# Altium PCB NUCLEO_144.PcbDoc (part 3 of 4)
Units mil, origin at the board's own origin, x right, y up, seen from the top; angles counter-clockwise.
Board outline 2760.94 x 5254.68 mil, 6 copper layers (Top Layer, GND, Signal, PWR, GND (Mid2), Bottom Layer), stack 74.545 mil thick; 293 components, 281 nets, 1134 pads, 921 vias.
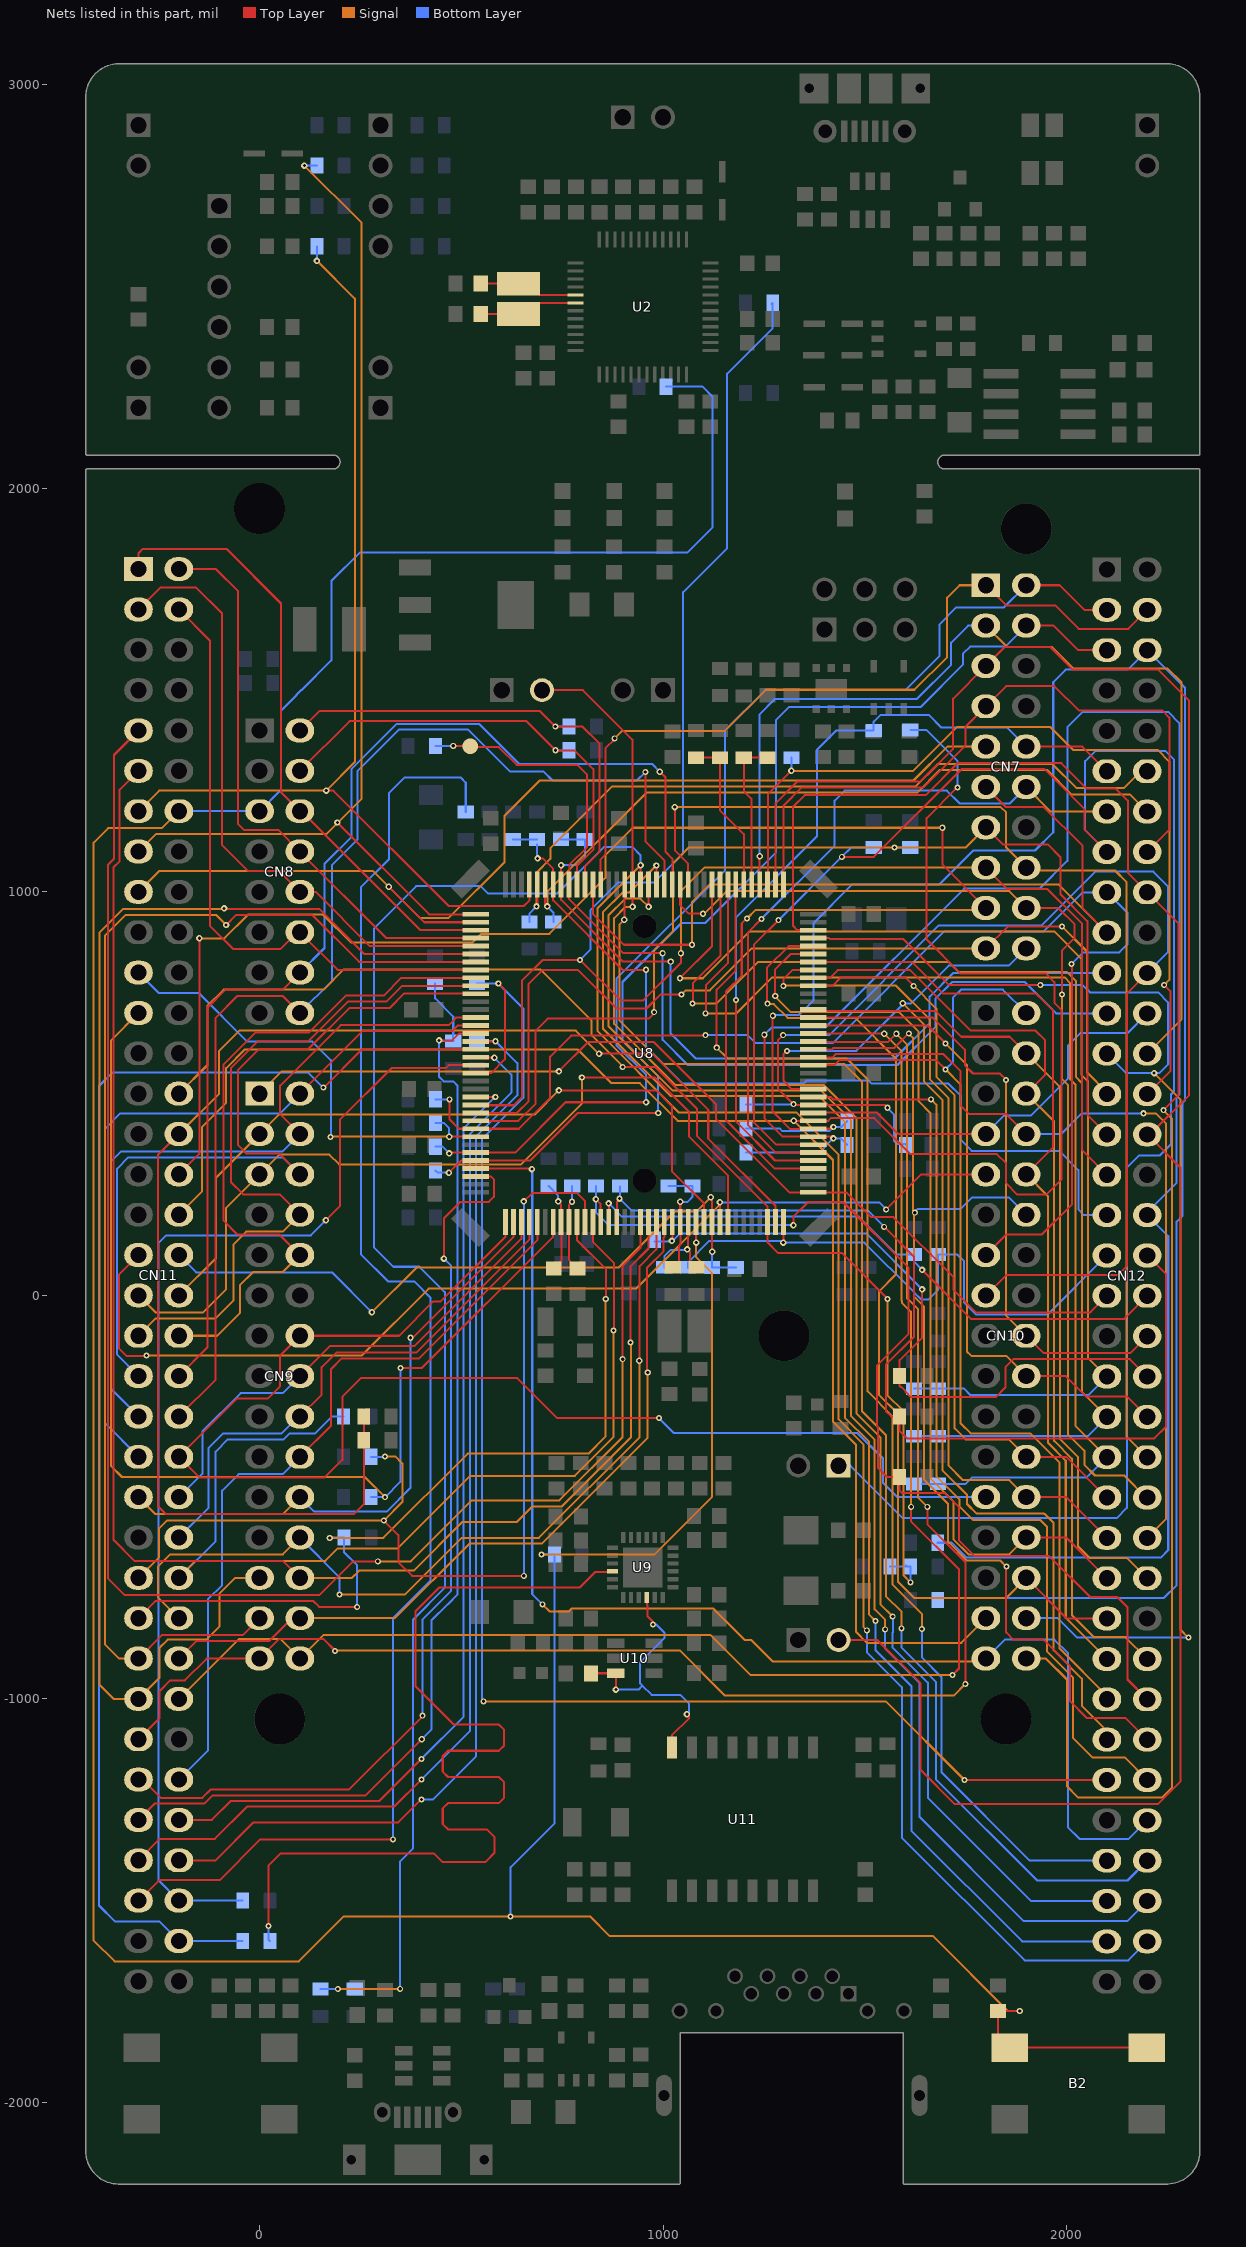
[diagram p7: the nets of this part, all layers, seen from the top]

## Via types
v1: diameter 16, hole 8, Top Layer to Bottom Layer, tented both sides, 464 vias
v2: diameter 15, hole 8, Top Layer to Bottom Layer, tented both sides, 415 vias
v3: diameter 20, hole 12, Top Layer to Bottom Layer, tented both sides, 39 vias
v4: diameter 25.98, hole 12.99, Top Layer to Bottom Layer, tented both sides, 2 vias
v5: diameter 15, hole 8, Top Layer to Bottom Layer, 1 vias

## Nets (pads, with @x,y where several pads share a name; then routed paths per layer and width w, separated by ;. In a path a pad name is that pad's centre, name@x,y a point inside that pad or via, vN(x,y) a via of type N, cw(c..) or ccw(c..) an arc to the next point about the centre after c; other vN are vias at no path point) (continued)
NetSB183_2: SB183.2 U9.16 | length 2583.8
  Top Layer w5: v2(22,-1563) 22,-1413 52,-1383 432,-1383 452.85,-1403.85 560.15,-1403.85 582,-1382 582,-1342 563.5,-1323.5 467,-1323.5 454,-1310.5 454,-1271.5 467,-1258.5 593,-1258.5 606,-1245.5 606,-1206.5 593,-1193.5 467,-1193.5 454,-1180.5 454,-1141.5 467,-1128.5 593,-1128.5 606,-1115.5 606,-1076.5 593,-1063.5 481.29,-1063.5 386.5,-968.71 386.5,-782.5 445.16,-723.84 793.73,-723.84 832.6,-684.97 874.38,-684.97 U9.16@875.2,-684.16
  Bottom Layer w5: v2(22,-1563) 22,-1596.25 SB183.2@25.75,-1600
NRST: B2.2 B2.3 C53.2 CN8.5 CN11.14 SB111.2 SB177.1 U8.25 | length 10367.8
  Top Layer w5: v1@1081.95,134 U8.25@1081.95,181.69 ; v1(1884,-1773.5) C53.2@1830,-1773.5 1830,-1835.69 B2.2@1858.72,-1864.42 B2.3@2199.28,-1864.42
  Signal w5: CN11.14@-200,1200 -242.03,1157.97 -375.03,1157.97 -411,1122 -411,-1599 -359.4,-1650.6 97.4,-1650.6 209,-1539 v2(622,-1539) 818.86,-1539 868.07,-1588.21 1669.21,-1588.21 1854.5,-1773.5 v1(1884,-1773.5) ; v2(699,-642) 979.21,-642 1121,-500.21 1121,55.91 1081.95,94.95 v1@1081.95,134
  Bottom Layer w5: CN11.14@-200,1200 CN8.5@0,1200 53.17,1253.17 53.17,1449.17 91.6,1487.6 91.6,1489.04 102.96,1500.4 104.4,1500.4 178,1574 178,1770.5 248.5,1841 1060,1841 1122,1903 1122,2227.85 1097.85,2252 SB111.2@1007.75,2252 ; v2(622,-1539) 622,-1417 731.25,-1307.75 SB177.1@731.25,-642 v2(699,-642)
  other v1: 1082,131
OSC_IN: C5.1 U2.5 X1.2 | length 245.1
  Top Layer w5: C5.1@548.5,2508 X1.2@641.4,2508 ; X1.2@642,2507.4 665.6,2507.4 693.47,2479.53 U2.5@782.68,2479.53
OSC_OUT: C6.1 U2.6 X1.1 | length 245.1
  Top Layer w5: C6.1@548.5,2432 X1.1@641.4,2432 ; X1.1@642,2432.6 665.6,2432.6 692.84,2459.84 U2.6@782.68,2459.84 U2.6@782.52,2460
PA0: CN11.28 SB179.1 SB180.2 U8.34 | length 3240.6
  Top Layer w5: v5(900,566) 980.34,566 1084.3,462.04 1084.3,394.85 1259.12,220.03 U8.34@1259.12,181.69 1259.12,131.04 1284.74,105.42 1442.58,105.42 1557,-9 v2(1556,-9)
  Signal w5: CN11.28@-200,500 -129,571 -129,718 -89.03,757.97 158.97,757.97 209.1,808.1 695.91,808.1 823,681.01 823,644.77 900,567.77 v5(900,566) ; v2(1556,-9) 1556,-247.44 1596.1,-287.54 1596.1,-694.1 v2(1613,-711)
  Bottom Layer w5: SB180.2@1562.75,-672 SB179.1@1613.25,-672 1613.25,-710.75 v2(1613,-711) ; SB179.1@1601,-669 SB179.1@1602,-670
PA1: CN11.30 SB11.2 SB13.2 U8.35 | length 3583.2
  Top Layer w5: CN11.30@-200,400 -252,348 -252,-522 -231.97,-542.03 233.72,-542.03 258.25,-517.5 SB13.2@258.25,-374 ; SB13.2@258.25,-359 SB11.2@258.25,-299.97 ; v1@841.33,600 971.77,600 1112,459.77 1112,388.36 1278.8,221.56 U8.35@1278.8,181.69
  Signal w5: CN11.30@-200,400 -100,500 -100,606 -50,656 783.72,656 v1@840.72,599
  other v1: 841.33,599
PA2: CN12.35 SB159.1 SB160.2 U8.36 | length 1471.5
  Top Layer w5: v1(1298,131) 1298,134 1298.49,134.49 U8.36@1298.49,181.69
  Bottom Layer w5: SB160.2@1062,67.75 SB160.2@1062,69.75 1062,82.01 1114.99,135 1300.04,135 v1@1304.04,131 ; v1(1298,131) v1@1304.04,131 ; CN12.35@2100,99 1954,-47 1775.25,-47 1746,-17.75 1746,85 1729.75,101.25 SB159.1@1681,101.25 1681,13 1658,-10 1639.26,-10 1622.6,6.66 1622.6,7.4 1499,131 v1@1304.04,131
PA3: CN9.1 CN12.37 U8.37 | length 2488.6
  Top Layer w5: v1(742,555) 815,628 977.3,628 1131,474.3 1131,437.31 1313.61,254.7 1371.49,254.7 U8.37@1372.31,255.51 1454.49,255.51 1515.9,194.1 1570.9,194.1 1720,45 1720,13.13 1775.16,-42.03 1917.41,-42.03 ; 1917.44,-42 2059,-42 CN12.37@2100,-1
  Signal w5: CN9.1@0,500 55,555 v1(742,555)
PA4: CN7.17 CN11.32 U8.40 | length 4286.7
  Top Layer w5: CN11.32@-200,300 -149,351 v1(-149,885) ; v2(1208,934) 1207,934 1195,922 1195,792.38 1156,753.38 1156,434.54 1275.84,314.7 1372.18,314.7 U8.40@1372.31,314.57 ; v2(1692,1159) 1692,1068 CN7.17@1800,960
  Signal w5: v1(-149,885) -87,885 -28,944 157,944 227,874 527,874 549,896 718,896 857,1035 857,1091.28 924.72,1159 v2(1692,1159) ; v2(1208,934) 1229.52,955.52 1795.52,955.52 CN7.17@1800,960
  Bottom Layer w5: v2@1207,934 v2(1208,934)
PA5: CN7.10 CN12.11 SB119.2 U8.41 | length 2064.8
  Top Layer w5: v2(1181,732) 1181,430.75 1277.5,334.25 U8.41@1372.31,334.25 ; CN7.10@1900,1360 2039,1360 CN12.11@2100,1299
  Bottom Layer w5: v2(1181,732) 1183.5,732 1181,734.5 1181,937.47 1382,1138.47 1382,1353 1429,1400 SB119.2@1522,1400 1522,1422 1539,1439 1658,1439 1690,1407 1853,1407 CN7.10@1900,1360
PA6: CN7.12 CN12.13 U8.42 | length 1823.9
  Top Layer w5: v2(1244,933) 1210,899 1210,422.96 1279.03,353.94 U8.42@1372.31,353.94
  Signal w5: CN7.12@1900,1260 1961,1199 CN12.13@2100,1199
  Bottom Layer w5: v2(1244,933) 1425,1114 1425,1226 1450,1251 1703.05,1251 1735.05,1219 1859,1219 CN7.12@1900,1260
PA7: CN12.15 JP6.1 SB121.2 U8.43 | length 5093.1
  Top Layer w5: v2(1286.03,930) 1225,868.97 1225,429.18 1280.56,373.62 U8.43@1372.31,373.62 ; v2(1443.03,1087) 1522.65,1087 1740.82,1305.17 1944.83,1305.17 2044,1206 2044,1155 CN12.15@2100,1099
  Bottom Layer w5: v2(1286.03,930) v2(1443.03,1087) 1466.03,1110 SB121.2@1522,1110 ; JP6.1@1409.99,-422 JP6.1@1435,-422 1464,-422 1594,-552 2124,-552 2149.6,-526.4 2149.6,316.6 2180,347 2231.53,347 2258.9,374.37 2258.9,497.88 2265.9,504.87 2265.9,1328.63 2245.53,1349 2071,1349 2046,1324 2046,1153 CN12.15@2100,1099
PA8: CN12.23 SB115.2 TP1.1 U8.100 | length 2527.4
  Top Layer w5: v2(480,1362) 481,1361 TP1.1@522,1361 ; TP1.1@522,1359 TP1.1@522,1361 ; TP1.1@522,1366 TP1.1@522,1361 ; v2(999,848) 900.92,848 766.99,981.93 U8.100@766.99,1018.31 767.81,1019.12 767.81,1066.81 812,1111 812,1290 787,1315 637,1315 593,1359 524,1359 TP1.1@522,1361
  Bottom Layer w5: SB115.2@435.75,1362 v2(480,1362) ; v2(999,848) 999,633.26 1061.26,571 1581,571 1675,665 1675,735.29 1716.49,776.78 1896.56,776.78 1974.34,699 CN12.23@2100,699
PA9: CN12.21 SB127.2 SB128.2 U8.101 | length 2003.2
  Top Layer w5: v1(747.31,1066.32) U8.101@747.31,1018.31 747.31,980.4 900.71,827 v2(1019,827)
  Bottom Layer w5: v1(747.31,1066.32) 786.58,1066.32 806,1085.73 SB127.2@806,1130.25 SB128.2@747,1130.25 SB128.2@747.31,1129.94 ; v2(1019,827) 1019,649 1080.9,587.1 1573.62,587.1 1660.52,674 1660.52,740.46 1719.05,799 CN12.21@2100,799
PA10: CN12.33 SB125.2 SB126.2 U8.102 | length 2156.6
  Top Layer w5: v1(689,1083) 702,1083 727.62,1057.38 U8.102@727.62,1018.31 727.62,978.87 899.49,807 v2(958,807)
  Bottom Layer w5: SB125.2@628.42,1130.25 SB126.2@688,1130.25 ; v1@688,1083.72 SB126.2@688,1117.5 ; v2(958,807) 958,615.69 1048.69,525 1348.5,525 1356.5,533 1509,533 1517,525 1707.42,525 1737.5,494.92 1737.5,385.25 1764.75,358 1981.49,358 2029,310.49 2029,213 2043,199 CN12.33@2100,199
PA11: CN12.14 SB133.2 U8.103 | length 1791.9
  Top Layer w5: U8.103@707.94,1018.31 707.94,969.06 v1(713,964)
  Signal w5: v1(713,964) 713,1000 959,1246 1630,1246 1686.03,1302.03 1951.97,1302.03 2012.03,1241.97 2157.03,1241.97 CN12.14@2200,1199
  Bottom Layer w5: v1(713,964) 728,949 SB133.2@728,925.5
PA12: CN12.12 SB132.2 U8.104 | length 1868
  Top Layer w5: v1(686.28,964) 688.25,965.97 U8.104@688.25,1018.31
  Signal w5: v1(686.28,964) 686.28,1047.28 720.73,1081.73 720.73,1108.43 873.3,1261 1625.34,1261 1681.37,1317.03 1939.54,1317.03 1939.96,1316.6 1956.04,1316.6 1956.46,1317.03 1964.97,1317.03 2025.03,1256.97 2142.03,1256.97 2184.06,1299 CN12.12@2200,1299
  Bottom Layer w5: SB132.2@668.57,925.5 668.57,946.28 v1(686.28,964)
PA13: CN11.13 SB108.1 U8.105 | length 2571.8
  Top Layer w5: v1(165,1251) 183,1251 469,965 655,965 668.57,978.57 U8.105@668.57,1018.31
  Signal w5: CN11.13@-300,1200 -249,1251 v1(165,1251) 236,1322 236,2470 v1(142.25,2563.75)
  Bottom Layer w5: SB108.1@142.25,2600 v1(142.25,2563.75) v1@143,2563
PA14: CN11.15 SB103.1 U8.109 | length 2705.2
  Top Layer w5: v1@193,1174 v1(193,1172.03) 420.54,944.49 U8.109@535.69,944.49
  Signal w5: CN11.15@-300,1100 -257.03,1142.97 164.97,1142.97 253,1231 253,2658.06 v1(111.06,2800)
  Bottom Layer w5: v1(111.06,2800) SB103.1@142.25,2800
PA15: CN7.9 CN11.17 U8.110 | length 2665.6
  Top Layer w5: v1(320,1013) 408.2,924.8 U8.110@535.69,924.8
  Signal w5: CN11.17@-300,1000 -248,1052 281,1052 v1(320,1013) 398,935 468,935 607,1074 607,1189 694,1276 1620.69,1276 1704.69,1360 CN7.9@1800,1360
PB0: CN10.31 CN11.34 SB120.1 U8.46 | length 5869.6
  Top Layer w5: v1(1324,432.68) U8.46@1372.31,432.68 1409.37,432.68 1416,439.3 1523.88,439.3 1613.24,349.94 1827.31,349.94 1850,327.25 1850,278 1878.06,249.94 1949.94,249.94 1988,288 1988,706.64 1969.53,725.11 1969.53,776.47 1948,798 1737,798 1653,882 1653,1182.87 1729.13,1259 v2(1730,1259)
  Signal w5: CN11.34@-200,200 -142.12,257.88 -142.12,417.88 -83,477 -83,563 -36.5,609.5 788.66,609.5 872.16,526 942.62,526 1035.95,432.68 v1(1324,432.68) 1421.1,335.58 1421.1,-313.12 1478.1,-370.12 1478.1,-834.04 1505.06,-861 1739,-861 CN10.31@1800,-800
  Bottom Layer w5: SB120.1@1612.75,1401.75 1651.75,1401.75 1730,1323.5 v2(1730,1259)
PB1: CN10.7 CN12.24 U8.47 | length 1022
  Top Layer w5: U8.47@1372.31,452.36 1373.15,453.2 1529.64,453.2 1582.84,400 CN10.7@1800,400
  Bottom Layer w5: CN10.7@1800,400 1846,446 1912,446 2003,537 2003,619 2034,650 2151,650 CN12.24@2200,699
PB2: CN10.15 CN12.22 R73.1 SB137.2 U8.48 | length 3207.7
  Top Layer w5: 1298.5,498.55 1325,472.05 U8.48@1372.31,472.05 1548.95,472.05 v2(1556,465) v2@1557,465 ; v2@1298.5,644.28 v2(1297.78,645) 1284.6,631.82 1284.6,512.4 v2(1323,474) ; CN10.15@1800,0 1850,50 2126,50 2150,74 2150,749 CN12.22@2200,799
  Bottom Layer w5: SB137.2@1205.75,473 1324.05,473 1324,473.05 1324,474 v2(1323,474) ; v2(1297.78,645) 1411.45,645 1683.48,917.03 1938.03,917.03 2071,1050 2215,1050 2251,1014 2251,850 CN12.22@2200,799 ; v2(1556,465) 1572.87,448.13 1572.87,382.13 1580,375 1600.5,375 R73.1@1602.5,373
PB3: CN7.15 CN12.31 SB110.2 U8.133 | length 4690.2
  Top Layer w5: U8.133@536.51,471.23 630.23,471.23 650,491 650,779.75 701.25,831 v2(794,831) 795.28,831 895.28,731 951.28,731 1044.07,823.79 v2(1044.07,848) ; CN7.15@1800,1060 1853,1007 1952.69,1007 2037.85,921.84 2037.85,361.16 CN12.31@2100,299
  Signal w5: v2(1044.07,848) 1044.07,1001.74 1102.33,1060 CN7.15@1800,1060
  Bottom Layer w5: v2(794,831) 819.7,856.7 819.7,954.7 888,1023 977,1023 1049.71,1095.71 1049.71,1742.71 1159,1852 1159,2284.39 1271.75,2397.14 SB110.2@1271.75,2460 SB110.2@1269,2457.25
PB4: CN7.19 CN12.27 U8.134 | length 2357.3
  Top Layer w5: U8.134@535.69,452.36 638,452.36 667,481.36 667,772.01 701.99,807 788.99,807 884.99,711 959,711 994,746 v2(1046,746) ; CN7.19@1800,860 1854,914 v2(1989,914)
  Signal w5: v2(1046,746) 1056,756 1115.75,756 1219.75,860 CN7.19@1800,860 ; v2(1989,914) 2050.7,852.3 2050.7,552.93 2100,503.63 CN12.27@2100,499
  Bottom Layer w5: CN12.27@2100,499 CN12.27@2100,501
PB5: CN7.13 CN12.29 SB122.2 U8.135 | length 2851.4
  Top Layer w5: U8.135@535.69,432.68 641.31,432.68 684,475.36 684,656 714,686 965,686 978,699 v2(978,702) ; CN7.13@1800,1160 1843,1117 1954.35,1117 1985,1086.35 1985,994.34 2051.75,927.6 2051.75,447.26 CN12.29@2100,399
  Signal w5: v2(978,702) 978,855.28 1025,902.28 1025,1071 1064,1110 v2(1573.62,1110) 1750,1110 CN7.13@1800,1160
  Bottom Layer w5: v2(1573.62,1110) SB122.2@1612.75,1110
PB6: CN10.13 CN12.17 SB136.2 U8.136 | length 3216.7
  Top Layer w5: v2(471,485.95) 471,435.99 494,412.99 U8.136@535.69,412.99 642.84,412.99 720,490.15 720,591.98 772.02,644 1104,644 v2(1105,645) ; CN10.13@1800,100 1851,151 1939,151 2013,225 2013,820.03 v2(2012.03,821)
  Signal w5: CN12.17@2096.97,1002.03 CN12.17@2100,999
  Bottom Layer w5: SB136.2@435.75,486 470.95,486 v2(471,485.95) ; v2(1105,645) 1210,645 1228.9,626.1 1421.37,626.1 1697.3,902.03 1943.03,902.03 2040,999 CN12.17@2100,999 2151,948 2151,869.99 2131.01,850 2041.03,850 v2(2012.03,821)
PB7: CN11.21 SB139.1 U8.137 | length 1171.2
  Top Layer w5: v1@477,393.31 U8.137@535.69,393.31
  Signal w5: v2(176,392.5) 177,393.5 v1@470,393.5
  Bottom Layer w5: CN11.21@-300,800 -249.5,749.5 -150.5,749.5 -30,629 96,629 130.69,629 176.9,582.79 176.9,393.4 v2(176,392.5) ; SB139.1@436,427 457.28,427 461.3,422.97 470,414.28 v1(470,393)
PB8: CN7.2 CN12.3 SB138.2 U8.139 | length 2811.6
  Top Layer w5: v1(470,352) 471.94,353.94 U8.139@535.69,353.94 633.5,353.94 758.27,478.7 v1(958,478.7) ; CN7.2@1900,1760 1983,1760 2044,1699 CN12.3@2100,1699
  Bottom Layer w5: SB138.2@435.75,368.5 453.5,368.5 v1(470,352) ; v1(958,478.7) 958,546.76 884.49,620.26 884.49,784.49 1154,1054 1154,1400.91 1252.86,1499.78 1599.78,1499.78 1684.5,1584.5 1684.5,1662.59 1726.91,1705 1845,1705 CN7.2@1900,1760
PB9: CN7.4 CN12.5 SB143.2 U8.140 | length 2776.8
  Top Layer w5: v1@469.32,304.25 499.31,334.25 U8.140@535.69,334.25 671.25,334.25 789,452 v1(988,452) ; CN7.4@1900,1660 1968,1660 2029,1599 CN12.5@2100,1599
  Bottom Layer w5: SB143.2@435.75,309.5 441.25,304 v1(469.32,304) ; v1(988,452) 988,543.26 899.49,631.76 899.49,776.78 1045.72,923 1104.94,923 1280,1098.06 1280,1426.12 1311.88,1458 1638,1458 1743.93,1563.93 1743.93,1590.93 1761,1608 1848,1608 CN7.4@1900,1660
PB10: CN10.32 CN12.25 U8.69 | length 3135.7
  Top Layer w5: U8.69@1372.31,885.43 1411.57,885.43 1413.5,883.5 1594.56,883.5 1709.06,769 v2(1935,769)
  Signal w5: v1(2217,551) 2282,486 2282,-828 v2(2302,-848)
  Bottom Layer w5: CN10.32@1900,-800 1978,-800 2026,-848 v2(2302,-848) ; v2(1935,769) 2040,769 2058,751 2226.79,751 2252,725.79 2252,573 2230,551 v1(2217,551) 2148,551 CN12.25@2100,599
PB11: CN10.34 CN12.18 U8.70 | length 4454.3
  Top Layer w5: U8.70@1372.31,905.12 1332.88,905.12 1322.1,915.9 1322.1,1211.1 1351,1240 1650.69,1240 1729.76,1319.07 1986.83,1319.07 2049.91,1256 2122,1256 2152,1226 2152,1047 CN12.18@2200,999 2278,921 2278,496.99 v2(2240,459)
  Signal w5: CN10.34@1900,-900 1949,-900 2001,-952 2001,-1217 2027.97,-1243.97 2237.03,-1243.97 2261,-1220.01 2261,438 v2(2240,459)
PB12: CN7.7 CN12.16 U8.73 | length 1690.4
  Top Layer w5: U8.73@1298.49,1018.31 1298.5,1213.96 1343.39,1258.85 1645.84,1258.85 1750,1363.01 1750,1410 CN7.7@1800,1460 1850,1510 1970,1510 2031,1449 2238,1449 2255,1432 2255,1154 CN12.16@2200,1099
PB13: CN7.5 CN12.30 JP7.2 U8.74 | length 5439.3
  Top Layer w5: U8.74@1278.8,1018.31 1278.8,1219.93 1332.45,1273.57 1637.91,1273.57 1719,1354.66 1719,1479 CN7.5@1800,1560 1847,1607 1959.06,1607 2015.06,1551 2226.79,1551 2304,1473.79 2304,496.26 2206.74,399 CN12.30@2200,399 2282,317 2282,-1205 2226.93,-1260.07 2077.14,-1260.07 2076.49,-1260.72 1722.72,-1260.72 1638.15,-1176.15 1638.15,-961.35 1530.8,-854 JP7.2@1435,-854
PB14: CN12.28 SB118.1 U8.75 | length 2214.4
  Top Layer w5: U8.75@1259.93,1019.12 1259.93,1241.93 v1(1318,1300) ; CN12.28@2200,499 2257,556 2257,754.03 v2(2242.03,769)
  Signal w5: v1(1318,1300) 1620,1300 1729,1409 1959,1409 2016,1352 2226,1352 2255,1323 2255,781.97 v2(2242.03,769)
  Bottom Layer w5: v1(1318,1300) SB118.1@1318,1332.5
PB15: CN7.3 CN12.26 U8.76 | length 2604.3
  Top Layer w5: U8.76@1239.43,1018.31 v1(1239.43,1088.43)
  Signal w5: CN7.3@1800,1660 1853,1607 1963,1607 2016,1554 2250,1554 2285,1519 2285,684 CN12.26@2200,599
  Bottom Layer w5: v1(1239.43,1088.43) 1239.43,1440.12 1277.31,1478 1629,1478 1714,1563 1714,1618 1756,1660 CN7.3@1800,1660
PC0: CN9.3 CN11.38 U8.26 | length 1886
  Top Layer w5: v1(742,508) 983,508 1022,469 1022,307.43 1101.64,227.79 U8.26@1101.64,181.69
  Signal w5: CN11.38@-200,0 -108,92 -108,292 CN9.3@0,400 48,448 682,448 v1(742,508)
PC1: CN11.36 SB164.2 SB165.2 U8.27 | length 1732.7
  Top Layer w5: v1@1118.1,246.96 v1(1118.1,243) 1121.32,239.78 U8.27@1121.32,181.69 ; U8.27@1120.51,182.51 U8.27@1121.32,181.69 ; v1@1121.32,108.68 U8.27@1121.32,181.69
  Signal w5: v1(278.53,-42.03) 389.75,69.19 890.19,69.19 1028.43,207.43 1082.53,207.43 v1(1118.1,243)
  Bottom Layer w5: CN11.36@-200,100 -157.03,57.03 179.47,57.03 v1(278.53,-42.03) ; v1@1121.53,107.53 1121.53,69.56 SB165.2@1180.53,69.56
  other v1: 1122,108
PC2: CN10.9 CN11.35 U8.28 | length 2668.5
  Top Layer w5: CN11.35@-300,100 -348.03,51.97 -348.03,-131.97 -330,-150 -281,-150 v2(-280,-149) ; U8.28@1141.01,181.69 v1(1141.01,230.69) ; v2(1553,213) 1640,300 CN10.9@1800,300
  Signal w5: v2(-280,-149) 253,-149 419,17 932.99,17 1141.01,225.02 v1(1141.01,230.69)
  Bottom Layer w5: v1(1141.01,230.69) 1535.31,230.69 v2(1553,213) ; CN10.9@1800,300 CN10.9@1807.72,300
PC3: CN9.5 CN11.37 U8.29 | length 2114.2
  Top Layer w5: v1(799,540) 979.69,540 1064,455.69 1064,394 1161.51,296.49 1161.51,216
  Signal w5: CN11.37@-300,0 -257.97,-42.03 -140.03,-42.03 -83,15 -83,217 CN9.5@0,300 49,349 173,349 197.5,324.5 648.5,324.5 799,475 v1(799,540)
PC4: CN12.34 SB150.2 SB151.1 SB178.2 U8.44 | length 4934.2
  Top Layer w5: v2(1251,646) 1251,439.3 1297,393.31 U8.44@1372.31,393.31 1417.89,393.31 v1(1422.2,389)
  Bottom Layer w5: SB150.2@1205.75,354 1387.2,354 v1(1422.2,389) 1440.25,389 SB151.1@1456.25,373 ; v2(1251,646) 1269,664 1402,664 1746,1008 1933,1008 2002,1077 2002,1408 2040,1446 2252,1446 2279.8,1418.2 2279.8,497.56 2272.8,490.56 2272.8,279.01 2200,206.2 CN12.34@2200,199 2252,147 2252,-631 2233,-650 1752,-650 1715,-613 SB178.2@1680.75,-613
PC5: CN12.6 SB140.2 SB141.1 SB181.2 U8.45 | length 5272.9
  Top Layer w5: v2@1270.7,692.7 1270.7,456.99 1315.51,412.18 1371.49,412.18 U8.45@1372.31,412.99 1417.89,412.99 v1(1422.2,417.3)
  Bottom Layer w5: SB140.2@1205.75,414 1288.75,414 1295.75,407 1411.21,407 1421.5,417.3 v1(1422.2,417.3) 1441.55,417.3 SB141.1@1456.25,432 ; v2@1273,695 1336,695 1373,732 1373,923 1467.99,1017.99 1683.89,1017.99 1768.51,1102.61 1921.79,1102.61 1967.03,1147.84 1967.03,1520.03 1998,1551 2152,1551 CN12.6@2200,1599 2293.7,1505.3 2293.7,483.43 2286.7,476.43 2286.7,196.7 2273,183 2273,-718 2241,-750 SB181.2@1680.75,-750
  other v2: 1272,693
PC6: CN7.1 CN12.4 U8.96 | length 2003.8
  Top Layer w5: U8.96@845.5,1018.54 845.5,1080.86 857,1092.36 857,1355.5 880,1378.5 v2(880,1380.53) ; CN7.1@1800,1760 1850,1710 1972,1710 2030,1652 2153,1652 CN12.4@2200,1699
  Signal w5: v2(880,1380.53) 898.47,1399 1153.37,1399 1255.37,1501 1623,1501 1704,1582 1704,1729 1735,1760 CN7.1@1800,1760
PC7: CN7.11 CN12.19 U8.97 | length 2091.4
  Top Layer w5: U8.97@826.05,1018.31 826.05,945.76 902.8,869 v2(1071.47,869) ; CN7.11@1800,1260 1849.84,1210.16 1943.84,1210.16 2040,1114 2040,959 CN12.19@2100,899
  Signal w5: v2(1071.47,869) 1071.47,974.47 1114.97,1017.97 1981.03,1017.97 CN12.19@2100,899
PC8: CN8.2 SB116.1 U8.98 | length 1194
  Top Layer w5: CN8.2@100,1400 148,1448 695,1448 v2(733,1410) 800,1410 842,1368 842,1098.57 806.36,1062.94 U8.98@806.36,1018.31
  Bottom Layer w5: v2(733,1410) SB116.1@767.5,1410
PC9: CN8.4 SB117.1 U8.99 | length 1163.6
  Top Layer w5: CN8.4@100,1300 223,1423 661.5,1423 v2(733.5,1351) 780,1351 827,1304 827,1104.79 786.68,1064.46 U8.99@786.68,1018.31